# Altium PCB PCB1.PcbDoc
Units mil, origin at the board's own origin, x right, y up, seen from the top; angles counter-clockwise.
Board outline 7935 x 5390 mil, 2 copper layers (Top Layer, Bottom Layer); 14 components, 18 nets, 190 pads, 0 vias.
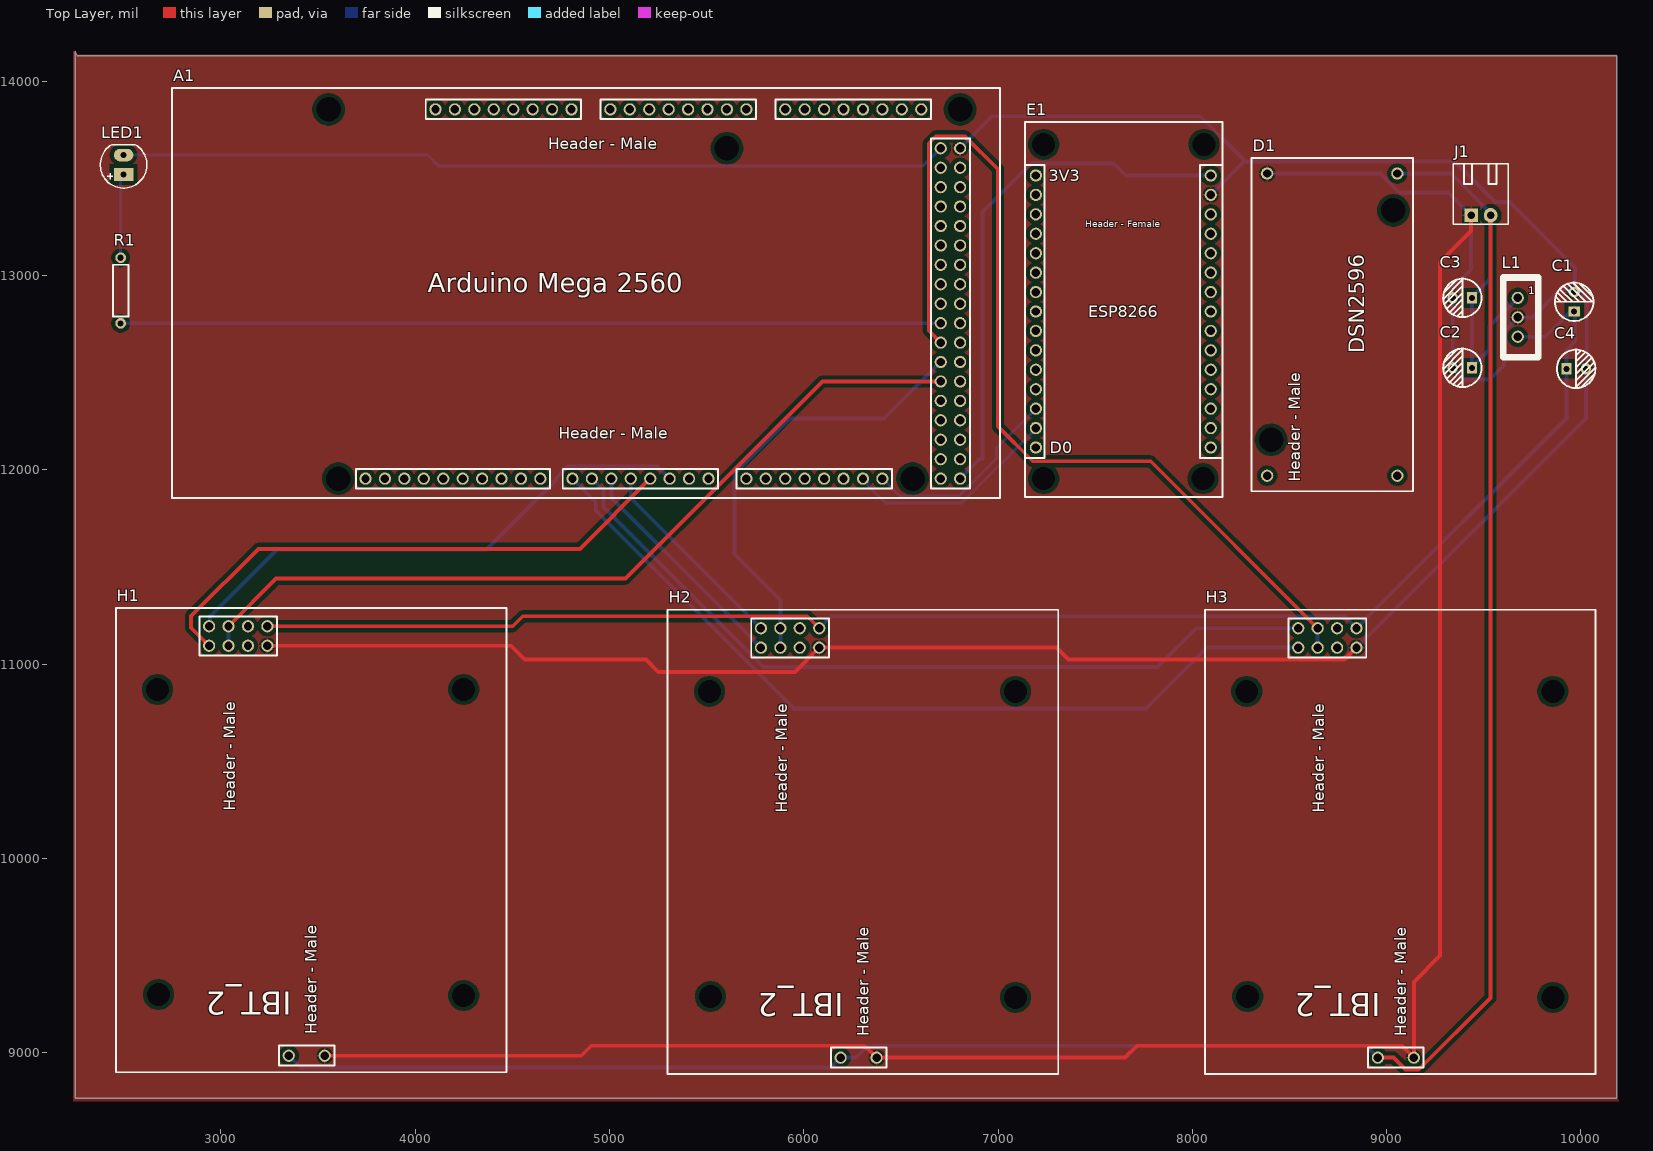
[diagram p0: Top Layer view]
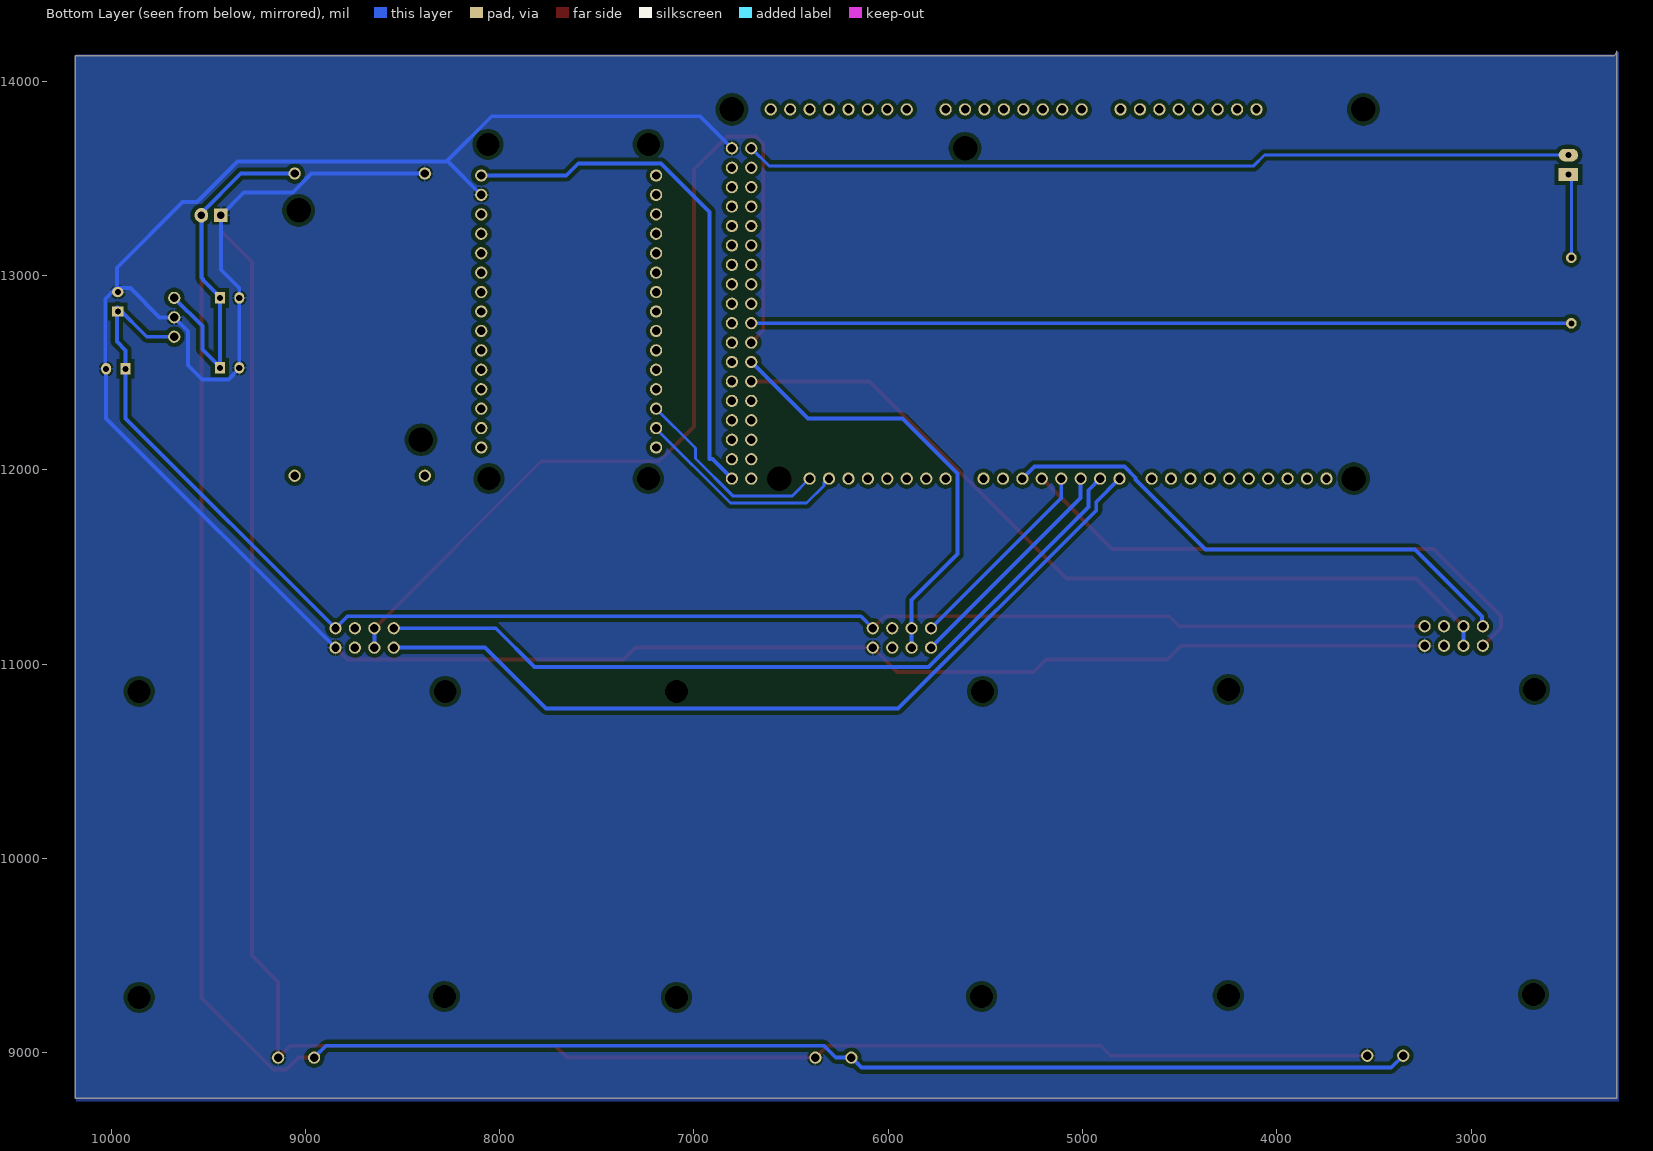
[diagram p1: Bottom Layer view, seen from below]

## Layer stack, top to bottom
Top Solder: solder mask 0.4, Solder Resist, Dk 3.5
Top Layer: signal copper 1.4
Dielectric 1: dielectric 12.6, FR-4, Dk 4.8
Bottom Layer: signal copper 1.4
Bottom Solder: solder mask 0.4, Solder Resist, Dk 3.5

## Board outline
2260,14135 2265,14130 10185,14130 10185,8765 2250,8765 2250,14155

## Design rules (kind name [scope] priority, off if disabled: settings)
Clearance [All] p1: gap=20 ignorepadtopadclearanceinfootprint=FALSE
PolygonConnect [All] p1: connectstyle=Relief reliefconductorwidth=10 reliefentries=4 polygonreliefangle="90 Angle" airgapwidth=10
RoutingVias [All] p1: holewidth=20 width=35 viastyle="Through Hole" minholewidth=15 minwidth=25 maxholewidth=28 maxwidth=50
SolderMaskExpansion [All] p1: expansion=4 istentingtop=FALSE
Width [All] p1: maxlimit=50 minlimit=10 preferedwidth=20
30 further rules are at their usual default settings.

## Components (designator, comment, footprint, x,y, rotation, side; value= is the part's Value field where it differs from the comment)
A1 "Arduino Mega 2560" ArduinoMega2560 3005,11860 r0 top
C1 "47uF" "tu hoa 5mm" 9965,12865 r90 top
C2 "1uF" "tu hoa 5mm" 9390,12525 r180 top
C3 "100uF" "tu hoa 5mm" 9390,12885 r180 top
C4 "100nF" "tu hoa 5mm" 9975,12520 r0 top
D1 "12VDC9VDC" LM2596 8665,12420 r90 top
E1 "ESP8266" ESP8266 7195,13515 r0 top
H1 "BTS7960" BTS7960 2965,11285 r90 top
H2 "BTS7960" BTS7960 5805,11275 r90 top
H3 "BTS7960" BTS7960 8570,11275 r90 top
J1 "Header 1_2.54_2P" "Header_Duc Cong_2P 2.54" 9435,13310 r180 top
L1 "L7805" L7806 9910,12805 r0 top
LED1 "LED 5mm Xanh" "LED 5mm Xanh" 2500,13520 r90 top
R1 "220" Res 2485,12920 r270 top

## Footprints (in the part's own frame and the unit in brackets; to place one, negate y for a bottom-side part, rotate by r counter-clockwise, add the part's x,y. Pads: shape width x height; smd on the part's side, far side on the other; paste and mask are expansions set on the pad)
ArduinoMega2560 [mm]
  round 1.6 hole 1.1: 1(27.94,50.673) 2(30.48,50.673) 3(33.02,50.673) 4(35.56,50.673) 5(38.1,50.673) 6(40.64,50.673) 7(43.18,50.673) 8(45.72,50.673) 9(50.8,50.673) 10(53.34,50.673) 11(55.88,50.673) 12(58.42,50.673) 13(60.96,50.673) 14(63.5,50.673) 15(66.04,50.673) 16(68.58,50.673) 18(73.66,50.673) 19(76.2,50.673) 20(78.74,50.673) 21(81.28,50.673) 22(83.82,50.673) 23(86.36,50.673) 24(88.9,50.673) 25(91.44,50.673) 26(93.98,2.413) 27(93.98,4.953) 28(93.98,7.493) 29(93.98,10.033) 30(93.98,12.573) 31(93.98,15.113) 32(93.98,17.653) 33(93.98,20.193) 34(93.98,22.733) 35(93.98,25.273) 36(93.98,27.813) 37(93.98,30.353) 38(93.98,32.893) 39(93.98,35.433) 40(93.98,37.973) 41(93.98,40.513) 42(93.98,43.053) 43(93.98,45.593) 44(96.52,2.413) 45(96.52,4.953) 46(96.52,7.493) 47(96.52,10.033) 48(96.52,12.573) 49(96.52,15.113) 50(96.52,17.653) 51(96.52,20.193) 52(96.52,22.733) 53(96.52,25.273) 54(96.52,27.813) 55(96.52,30.353) 56(96.52,32.893) 57(96.52,35.433) 58(96.52,37.973) 59(96.52,40.513) 60(96.52,43.053) 61(96.52,45.593) 62(18.796,2.413) 63(21.336,2.413) 64(23.876,2.413) 65(26.416,2.413) 66(28.956,2.413) 67(31.496,2.413) 68(34.036,2.413) 69(36.576,2.413) 70(39.116,2.413) 71(41.656,2.413) 72(45.847,2.413) 73(48.387,2.413) 74(50.927,2.413) 75(53.467,2.413) 76(56.007,2.413) 77(58.547,2.413) 78(61.087,2.413) 79(63.627,2.413) 80(68.58,2.413) 81(71.12,2.413) 82(73.66,2.413) 83(76.2,2.413) 84(78.74,2.413) 85(81.28,2.413) 86(83.82,2.413) 87(86.36,2.413)
  round 1.524 hole 3.2: B1(13.97,50.673) B1(15.24,2.413) B1(66.04,45.593) B1(90.297,2.413) B1(96.52,50.673)
  silkscreen extent -6.48,-0.13 101.73,53.47, body extent -6.35,0 101.6,53.34, height 15.6
BTS7960 [mm]
  round 1.6 hole 1.1: 1(-2.286,0.635) 2(-4.826,0.635) 3(-2.286,-1.905) 4(-4.826,-1.905) 5(-2.286,-4.445) 6(-4.826,-4.445) 7(-2.286,-6.985) 8(-4.826,-6.985) 9(-58.42,-14.478) 10(-58.42,-9.779)
  round 1.524 hole 3: B(-50.546,-32.639) B(-50.419,7.239) B(-10.541,7.366) B(-10.541,-32.639)
  silkscreen extent -60.58,-38.23 0.13,12.83, body extent -59.69,-38.2 -1.07,12.8, height 42.4
ESP8266 [mm]
  round 1.6 hole 1.1: 1(0,0) 2(0,-2.54) 3(0,-5.08) 4(0,-7.62) 5(0,-10.16) 6(0,-12.7) 7(0,-15.24) 8(0,-17.78) 9(0,-20.32) 10(0,-22.86) 11(0,-25.4) 12(0,-27.94) 13(0,-30.48) 14(0,-33.02) 15(0,-35.56) 16(22.86,0) 17(22.86,-2.54) 18(22.86,-5.08) 19(22.86,-7.62) 20(22.86,-10.16) 21(22.86,-12.7) 22(22.86,-15.24) 23(22.86,-17.78) 24(22.86,-20.32) 25(22.86,-22.86) 26(22.86,-25.4) 27(22.86,-27.94) 28(22.86,-30.48) 29(22.86,-33.02) 30(22.86,-35.56)
  round 1.524 hole 3: B(1.016,-39.624) B(1.016,4.064) B(21.844,-39.624) B(21.971,4.064)
  silkscreen extent -1.4,-42.04 24.38,6.98, body extent -1.27,-42.15 24.51,6.84, height 14.27
"Header_Duc Cong_2P 2.54" [mil]
  rect 70x70 hole 39.37 unplated: 1(0,0)
  oval 70x75 hole 39.37 unplated: 2(-100,0)
  silkscreen extent -190,-265 93,47, body extent -190,-250 90,50, height 237
L7806 [mm]
  round 1.6 hole 1.1: 1(-5.969,2.032) 2(-5.969,-0.508) 3(-5.969,-3.048)
  silkscreen extent -7.87,-5.71 -3.3,4.7, body extent -7.9,-5.71 -3.3,4.7, height 19.71
"LED 5mm Xanh" [mil] "LED 2 PIN, 5 ly , Only colour,pin to pin 100mil"
  rect 65x100 hole 32: 1(0,0)
  oval 65x100 hole 32: 2(100,0)
  silkscreen extent -70,-120 154,120, body extent -54,-104 154,105, height 337
LM2596 [mil]
  round 62.99 hole 43.31: 1(-450,280) 2(-450,-390) 3(1105,-390) 4(1105,280)
  round 60 hole 125.98: 18(-265,260) 18(915,-370)
  silkscreen extent -530,-470 1185,360, body extent -530,-467 1183,360, height 607
Res [mm]
  round 1.4 hole 0.8 unplated: 1(-4.356,0) 2(4.216,0)
  silkscreen extent -3.44,-1.02 3.3,1.02
"tu hoa 5mm" [mm]
  rect 1.3x1.5 hole 0.8: 1(-1.27,0)
  oval 1.3x1.5 hole 0.8: 2(1.27,0)
  silkscreen extent -2.51,-2.51 2.51,2.51, body extent -3.12,-3.18 3.23,3.18, height 14.55

## Part data
C1 C2 C3 C4: library part "Tu Hoa 0.1uF 50V 5x11", "Cắm", Chung_Loai=Cắm, Don_Vi=Con, Ma_Hang=MH006853, So_Chan=2, Ten_Linh_Kien="Tụ Hóa 0.1uF 50V"
D1 L1 R1: library part Component_1
J1: "12VDC", Chung_Loai=Cắm
LED1: "Cắm", Chung_Loai=Cắm, Don_Vi=Con, Ma_Hang=MH002125, Ten_Linh_Kien="Led 5MM Xanh Lá (SS)"

## Nets (pads, with @x,y where several pads share a name; then routed paths per layer and width w, separated by ;. In a path a pad name is that pad's centre, name@x,y a point inside that pad or via, vN(x,y) a via of type N, cw(c..) or ccw(c..) an arc to the next point about the centre after c; other vN are vias at no path point)
NetA1_31: A1.31 H1.3 H1.4 | length 4286.9
  Top Layer w20: H1.3 3285,11440 5081.97,11440 6096.97,12455 A1.31
  Bottom Layer w20: H1.4 H1.3
NetA1_32: A1.32 H2.3 H2.4 | length 2292.9
  Bottom Layer w20: H2.4 H2.3 5880,11330 5643.5,11566.5 5643.5,11980.47 5926.65,12263.62 6413.62,12263.62 A1.32
NetA1_33: A1.33 H3.3 H3.4 | length 4991.5
  Top Layer w20: A1.33 6643.5,12716.5 6643.5,13680.47 6679.53,13716.5 6830.47,13716.5 7000,13546.97 7000,12223.03 7178.98,12044.06 7785.94,12044.06 H3.3
  Bottom Layer w20: H3.4 H3.3
NetA1_34: A1.34 R1.2 | length 4220.4
  Bottom Layer w20: R1.2 2485.5,12754.5 6704.5,12754.5 A1.34
NetA1_43: A1.43 LED1.2 | length 4265.5
  Bottom Layer w15: LED1.2 4063.79,13620 4119.29,13564.51 6614.51,13564.51 A1.43
NetA1_44: A1.44 E1.16 | length 2732.2
  Bottom Layer w20: A1.44 6905,12055 6920,12055 6920,13326.97 7169.53,13576.5 7595.7,13576.5 7657.19,13515 E1.16
NetA1_61: A1.61 C1.2 C2.2 C3.2 C4.2 D1.4 E1.17 H1.8 H1.9 H2.8 H2.9 H3.8 H3.9 J1.1 L1.2 | length 25118
  Top Layer w20: H1.8 4492.81,11095 4564.3,11023.5 5187.83,11023.5 5251.33,10960 5955,10960 H2.8 7300.31,11085 7361.8,11023.5 8783.5,11023.5 H3.8 ; H1.9 4855.31,8985 4906.8,9036.5 6313.5,9036.5 H2.9 7652.81,8975 7714.3,9036.5 9078.5,9036.5 H3.9 9140,9365 9275,9500 9275,13070 9435,13230 J1.1
  Bottom Layer w20: A1.61 6970,13820 8040.94,13820 8266.5,13594.45 8266.5,13586.5 ; E1.17 8266.5,13586.5 ; D1.4 8968.03,13525 9065.04,13427.99 9317.01,13427.99 J1.1 9435,13030 9340,12935 C3.2 C2.2 9340,12521.06 9395.59,12465.47 9530.47,12465.47 9603.39,12538.39 9603.39,12713.39 L1.2 9750,12785 9900,12935 C1.2@9970,12935 ; H3.8 8846.33,11085 10025,12263.67 C4.2 10029.53,12524.53 10029.53,12879.41 9973.94,12935 C1.2@9970,12935 ; 8266.5,13586.5 9348.5,13586.5 9557.5,13377.5 9632.5,13377.5 9970,13040 C1.2@9970,12935
NetA1_72: A1.72 H3.2 | length 4381
  Bottom Layer w20: A1.72 4930,11835 4930,11791.46 5950.52,10770.94 7760.94,10770.94 8075,11085 H3.2
NetA1_73: A1.73 H3.1 | length 4170.6
  Bottom Layer w20: A1.73 4970,11895 4970,11808.03 5793.03,10985 7820,10985 8020,11185 8040,11185 H3.1
NetA1_74: A1.74 H2.2 | length 1188.9
  Bottom Layer w20: A1.74 5010,11855 H2.2
NetA1_75: A1.75 H2.1 | length 1047.5
  Bottom Layer w20: A1.75 5110,11855 H2.1
NetA1_76: A1.76 H1.2 | length 2846.4
  Top Layer w20: H1.2 2847.5,11187.5 2847.5,11247.5 3193.39,11593.39 4848.39,11593.39 A1.76
NetA1_77: A1.77 H1.1 | length 2767.3
  Bottom Layer w20: H1.1 2945,11200 2945,11245 3290.27,11590.27 4367.23,11590.27 4727.5,11950.53 4727.5,11959.47 4784.53,12016.5 5248.5,12016.5 A1.77
NetA1_86: A1.86 E1.14 | length 1078.9
  Bottom Layer w15: 6330,11935 6330,11920 6420.49,11829.51 6812.44,11829.51 7195,12212.07 E1.14
NetA1_87: A1.87 E1.13 | length 1045.4
  Bottom Layer w15: A1.87 6495.49,11864.51 6797.94,11864.51 6991.88,12058.45 6991.88,12111.88 E1.13
NetC1_1: C1.1 C4.1 H1.7 H2.7 H3.7 L1.3 | length 8175.9
  Top Layer w20: H1.7 4502.81,11195 4554.3,11246.5 6018.5,11246.5 H2.7
  Bottom Layer w20: H2.7 6141.5,11246.5 8783.5,11246.5 H3.7 9925,12265 C4.1 9925,12615 9970,12660 9970,12835 9966.06,12835 9816.06,12685 L1.3
NetC2_1: C2.1 C3.1 D1.3 H1.10 H2.10 H3.10 J1.2 L1.1 | length 12342.3
  Top Layer w20: H3.10 9035.31,8975 9096.8,8913.5 9165.47,8913.5 9535,9283.03 J1.2
  Bottom Layer w20: H1.10 3411.5,8923.5 6138.5,8923.5 H2.10 6270.31,8975 6331.8,9036.5 8893.5,9036.5 H3.10 ; D1.3 9332.43,13525 9535,13322.43 J1.2 9535,12990 9527.5,12982.5 9527.5,12976.44 9440,12888.94 C3.1 C2.1@9440,12528.94 ; C2.1 C2.1@9440,12528.94 ; L1.1 9530,12740 9530,12618.94 C2.1@9440,12528.94
NetLED1_1: LED1.1 R1.1 | length 434.7
  Bottom Layer w15: R1.1 2485,13505 LED1.1
pads on no net: A1.1 A1.2 A1.3 A1.4 A1.5 A1.6 A1.7 A1.8 A1.9 A1.10 A1.11 A1.12 A1.13 A1.14 A1.15 A1.16 A1.18 A1.19 A1.20 A1.21 A1.22 A1.23 A1.24 A1.25 A1.26 A1.27 A1.28 A1.29 A1.30 A1.35 A1.36 A1.37 A1.38 A1.39 A1.40 A1.41 A1.42 A1.45 A1.46 A1.47 A1.48 A1.49 A1.50 A1.51 A1.52 A1.53 A1.54 A1.55 A1.56 A1.57 A1.58 A1.59 A1.60 A1.62 A1.63 A1.64 A1.65 A1.66 A1.67 A1.68 A1.69 A1.70 A1.71 A1.78 A1.79 A1.80 A1.81 A1.82 A1.83 A1.84 A1.85 A1.B1 D1.1 D1.2 D1.18 E1.1 E1.2 E1.3 E1.4 E1.5 E1.6 E1.7 E1.8 E1.9 E1.10 E1.11 E1.12 E1.15 E1.18 E1.19 E1.20 E1.21 E1.22 E1.23 E1.24 E1.25 E1.26 E1.27 E1.28 E1.29 E1.30 E1.B H1.5 H1.6 H1.B H2.5 H2.6 H2.B H3.5 H3.6 H3.B

## Polygon pours and split planes (outlines as drawn)
NetA1_61 on Top Layer "NETA1_61_L01_P000" (solid, remove dead copper, pour order 0): 2255,14125 2265,14135 10185,14135 10185,8765 10200,8750 2240,8750 2240,14170
NetA1_61 on Top Layer "NETA1_61_L01_P001" (solid, remove dead copper, pour order 1): 2247.5,14147.5 2255,14140
NetA1_61 on Bottom Layer "NETA1_61_L02_P002" (solid, remove dead copper, pour order 2): 2240,14155 2260,14135 10180,14135 10180,8750 2240,8750

## Text inside footprints (layer, text, board x,y; h text height)
A1: Top Overlay "Header - Male" at 4685,13650 h59.06; Top Overlay "Header - Male" at 4740,12160 h59.06
D1: Top Overlay "DSN2596" at 8885,12600 h78.74 r90; Top Overlay "Header - Male" at 8555,11940 h59.06 r90
E1: Top Overlay "3V3" at 7260,13485 h60; Top Overlay "D0" at 7265,12085 h60; Top Overlay "Header - Female" at 7450,13235.6 h59.06
H1: Top Overlay "IBT_2" at 3365,9315.32 h118.11 r180; Top Overlay "Header - Male" at 3495,9095 h59.06 r90; Top Overlay "Header - Male" at 3075,10245 h59.06 r90
H2: Top Overlay "IBT_2" at 6205,9305.32 h118.11 r180; Top Overlay "Header - Male" at 6335,9085 h59.06 r90; Top Overlay "Header - Male" at 5915,10235 h59.06 r90
H3: Top Overlay "IBT_2" at 8970,9305.32 h118.11 r180; Top Overlay "Header - Male" at 9100,9085 h59.06 r90; Top Overlay "Header - Male" at 8680,10235 h59.06 r90
L1: Top Overlay "1" at 9730,12905 h39.37